# KiCad board Kristerj.kicad_pcb (continued)
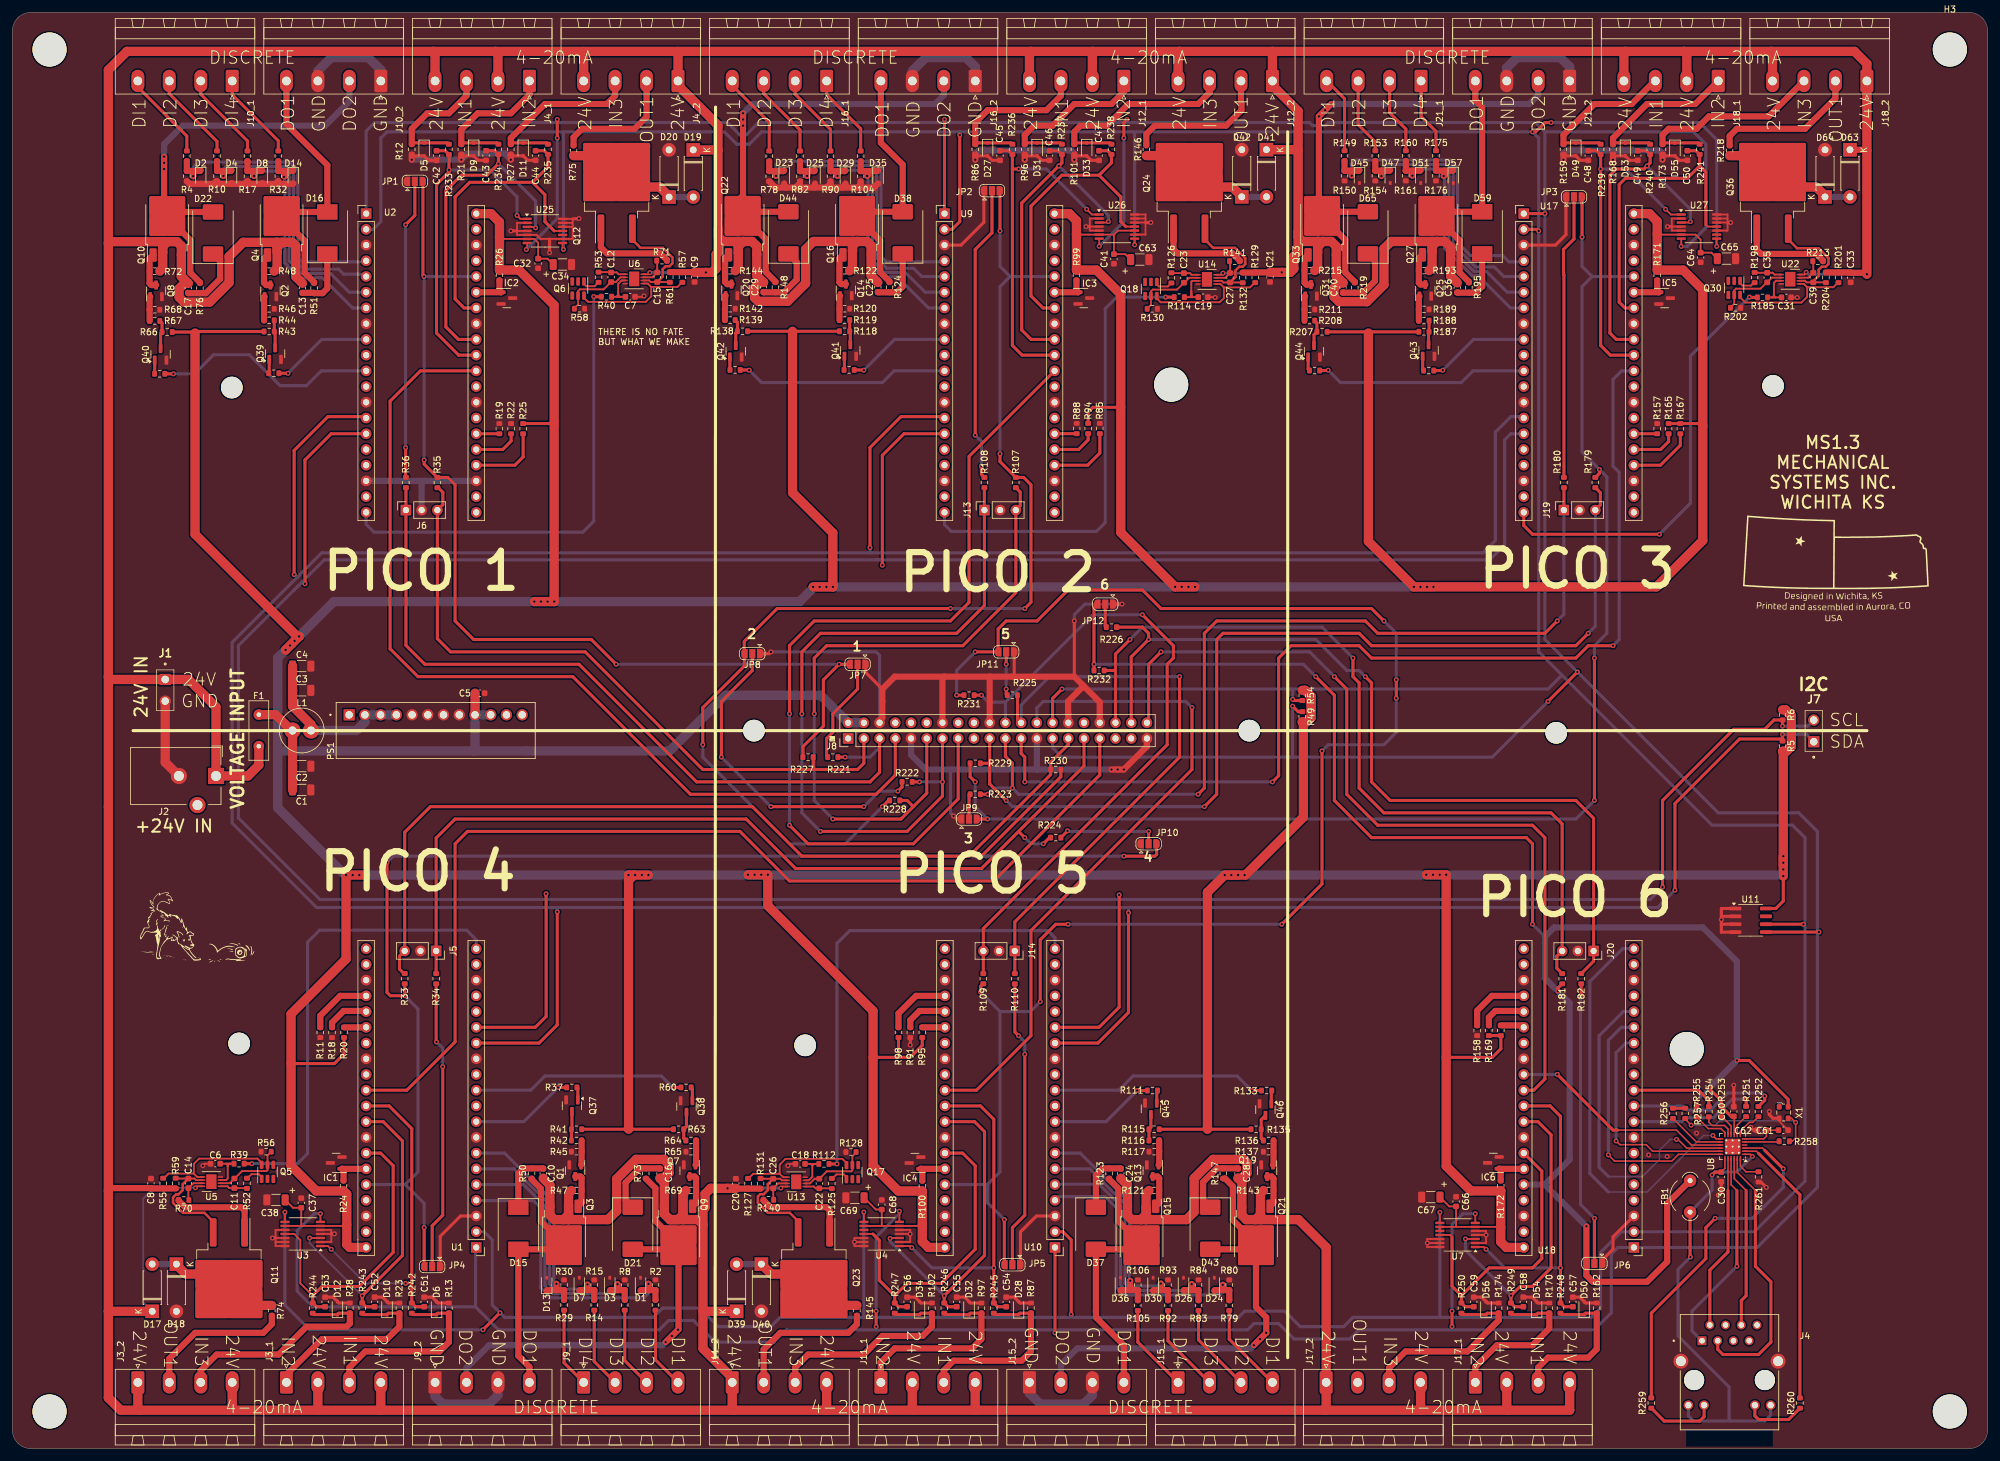
[diagram p0: board, top side]
## Placement (name value [footprint] x y rotation side) (continued)
R81  68K  [R_0603_1608Metric]  127.19 208.78 270 top
R82  10K  [R_0603_1608Metric]  127.19 205.53 270 top
R83  68K  [R_0603_1608Metric]  191.56 23.13 90 top
R84  10K  [R_0603_1608Metric]  191.56 26.44 90 top
R85  10K  [R_0603_1608Metric]  175.62 164.78 270 top
R86  150  [R_0603_1608Metric]  155.5 209.88 90 top
R87  150  [R_0603_1608Metric]  164.5 22.7 270 top
R88  10K  [R_0603_1608Metric]  171.88 164.78 270 top
R89  68K  [R_0603_1608Metric]  132.12 208.78 270 top
R90  10K  [R_0603_1608Metric]  132.12 205.53 270 top
R91  10K  [R_0603_1608Metric]  145.01 67.23 90 top
R92  68K  [R_0603_1608Metric]  186.63 23.13 90 top
R93  10K  [R_0603_1608Metric]  186.63 26.44 90 top
R94  10K  [R_0603_1608Metric]  173.74 164.78 90 top
R95  10K  [R_0603_1608Metric]  146.94 67.23 270 top
R96  150  [R_0603_1608Metric]  163.5 209.88 90 top
R97  150  [R_0603_1608Metric]  156.5 22.7 270 top
R98  10K  [R_0603_1608Metric]  143.11 67.23 270 top
R99  1K  [R_0603_1608Metric]  171.85 189.55 270 top
R100  1K  [R_0603_1608Metric]  146.95 42.44 90 top
R101  150  [R_0603_1608Metric]  171.5 209.88 90 top
R102  150  [R_0603_1608Metric]  148.5 22.7 270 top
R103  68K  [R_0603_1608Metric]  137 208.78 270 top
R104  10K  [R_0603_1608Metric]  137 205.53 270 top
R105  68K  [R_0603_1608Metric]  181.76 23.13 90 top
R106  10K  [R_0603_1608Metric]  181.76 26.44 90 top
R107  10K  [R_0603_1608Metric]  162.06 156.05 90 top
R108  10K  [R_0603_1608Metric]  156.99 156.05 270 top
R109  10K  [R_0603_1608Metric]  156.81 75.91 270 top
R110  10K  [R_0603_1608Metric]  161.89 75.91 90 top
R111  1K  [R_0603_1608Metric]  184.12 57.84 0 top
R112  16K  [R_0603_1608Metric]  131.06 45.99 0 top
R113  1K  [R_0603_1608Metric]  135.13 174.24 180 top
R114  16K  [R_0603_1608Metric]  188.45 186 180 top
R115  3.3K  [R_0603_1608Metric]  184.38 51.59 0 top
R116  150  [R_0603_1608Metric]  184.38 49.77 180 top
R117  100K  [R_0603_1608Metric]  184.38 47.96 0 top
R118  3.3K  [R_0603_1608Metric]  134.4 180.49 180 top
R119  150  [R_0603_1608Metric]  134.4 182.3 0 top
R120  100K  [R_0603_1608Metric]  134.4 184.13 180 top
R121  10K  [R_0603_1608Metric]  184.38 41.7 180 top
R122  10K  [R_0603_1608Metric]  134.39 190.26 0 top
R123  100  [R_0603_1608Metric]  177.12 44.45 90 top
R124  100  [R_0603_1608Metric]  141.65 187.6 270 top
R125  100  [R_0603_1608Metric]  132.34 42.82 270 top
R126  100  [R_0603_1608Metric]  187.18 189.12 90 top
R127  10K  [R_0603_1608Metric]  118.81 42.82 270 top
R128  6.2K  [R_0603_1608Metric]  135.44 47.91 0 top
R129  10K  [R_0603_1608Metric]  200.71 189.17 90 top
R130  6.2K  [R_0603_1608Metric]  184.1 184.11 180 top
R131  249  [R_0603_1608Metric]  120.83 42.82 270 top
R132  249  [R_0603_1608Metric]  198.69 189.14 90 top
R133  1K  [R_0603_1608Metric]  202.56 57.84 0 top
R134  1K  [R_0603_1608Metric]  116.72 174.24 180 top
R135  3.3K  [R_0603_1608Metric]  200.86 51.59 180 top
R136  150  [R_0603_1608Metric]  202.86 49.77 180 top
R137  100K  [R_0603_1608Metric]  202.86 47.96 0 top
R138  3.3K  [R_0603_1608Metric]  117.91 180.49 0 top
R139  150  [R_0603_1608Metric]  115.91 182.3 0 top
R140  100  [R_0603_1608Metric]  122.12 40.19 0 top
R141  100  [R_0603_1608Metric]  197.39 191.82 180 top
R142  100K  [R_0603_1608Metric]  115.91 184.13 180 top
R143  10K  [R_0603_1608Metric]  202.86 41.7 180 top
R144  10K  [R_0603_1608Metric]  115.91 190.26 0 top
R145  22.1  [R_0603_1608Metric]  136.39 22.31 270 top
R146  22.1  [R_0603_1608Metric]  183.13 209.88 90 top
R147  100  [R_0603_1608Metric]  195.56 44.45 90 top
R148  100  [R_0603_1608Metric]  123.22 187.6 270 top
R149  68K  [R_0603_1608Metric]  215.14 208.82 270 top
R150  10K  [R_0603_1608Metric]  215.14 205.6 270 top
R153  68K  [R_0603_1608Metric]  220.12 208.83 270 top
R154  10K  [R_0603_1608Metric]  220.12 205.6 270 top
R157  10K  [R_0603_1608Metric]  265.63 164.76 270 top
R158  10K  [R_0603_1608Metric]  236.56 67.53 90 top
R159  150  [R_0603_1608Metric]  250.5 209.88 90 top
R160  68K  [R_0603_1608Metric]  225.04 208.83 270 top
R161  10K  [R_0603_1608Metric]  225.04 205.6 270 top
R162  150  [R_0603_1608Metric]  255.88 22.7 270 top
R165  10K  [R_0603_1608Metric]  267.49 164.76 90 top
R166  10K  [R_0603_1608Metric]  240.39 67.54 270 top
R167  10K  [R_0603_1608Metric]  269.38 164.76 90 top
R168  150  [R_0603_1608Metric]  258.5 209.88 90 top
R169  10K  [R_0603_1608Metric]  238.45 67.54 270 top
R170  150  [R_0603_1608Metric]  248.21 22.7 270 top
R171  1K  [R_0603_1608Metric]  265.64 189.54 270 top
R172  1K  [R_0603_1608Metric]  240.37 42.45 90 top
R173  150  [R_0603_1608Metric]  266.5 209.88 90 top
R174  150  [R_0603_1608Metric]  240.03 22.7 270 top
R175  68K  [R_0603_1608Metric]  229.9 208.83 270 top
R176  10K  [R_0603_1608Metric]  229.9 205.6 270 top
R179  10K  [R_0603_1608Metric]  255.64 156.05 90 top
R180  10K  [R_0603_1608Metric]  250.57 156.05 270 top
R181  10K  [R_0603_1608Metric]  250.29 75.91 270 top
R182  10K  [R_0603_1608Metric]  253.37 75.91 90 top
R183  1K  [R_0603_1608Metric]  228.74 174.14 180 top
R185  16K  [R_0603_1608Metric]  282.64 185.96 180 top
R187  3.3K  [R_0603_1608Metric]  227.97 180.4 180 top
R188  150  [R_0603_1608Metric]  227.97 182.21 0 top
R189  100K  [R_0603_1608Metric]  227.97 184.02 180 top
R193  10K  [R_0603_1608Metric]  227.97 190.29 0 top
R195  100  [R_0603_1608Metric]  235.24 187.54 270 top
R198  100  [R_0603_1608Metric]  281.37 189.17 90 top
R201  10K  [R_0603_1608Metric]  294.92 189.17 90 top
R202  6.2K  [R_0603_1608Metric]  278.3 184.26 180 top
R204  249  [R_0603_1608Metric]  292.89 189.17 90 top
R205  1K  [R_0603_1608Metric]  210.31 174.14 180 top
R207  3.3K  [R_0603_1608Metric]  211.5 180.4 0 top
R208  150  [R_0603_1608Metric]  209.5 182.21 0 top
R211  100K  [R_0603_1608Metric]  209.5 184.02 180 top
R213  100  [R_0603_1608Metric]  291.59 191.81 180 top
R215  10K  [R_0603_1608Metric]  209.5 190.29 0 top
R218  22.1  [R_0603_1608Metric]  277.33 209.68 90 top
R219  100  [R_0603_1608Metric]  216.81 187.54 270 top
R221  10K  [R_0603_1608Metric]  132.5 111.7 0 top
R222  10K  [R_0603_1608Metric]  144.5 107.7 0 top
R223  10K  [R_0603_1608Metric]  155.5 105.7 0 top
R224  10K  [R_0603_1608Metric]  168.5 98.7 180 top
R225  10K  [R_0603_1608Metric]  161.5 121.7 0 top
R226  10K  [R_0603_1608Metric]  177.5 132.7 0 top
R227  10K  [R_0603_1608Metric]  128.5 111.7 180 top
R228  10K  [R_0603_1608Metric]  142.5 104.7 180 top
R229  10K  [R_0603_1608Metric]  155.5 110.7 180 top
R230  10K  [R_0603_1608Metric]  168.5 109.7 0 top
R231  10K  [R_0603_1608Metric]  154.5 121.7 180 top
R232  10K  [R_0603_1608Metric]  175.5 125.7 180 top
R233  10K  [R_0603_1608Metric]  70.5 209.88 270 top
R234  10K  [R_0603_1608Metric]  78.5 209.88 270 top
R235  10K  [R_0603_1608Metric]  86.5 209.88 270 top
R236  10K  [R_0603_1608Metric]  161.5 209.88 270 top
R237  10K  [R_0603_1608Metric]  169.5 209.88 270 top
R238  10K  [R_0603_1608Metric]  177.5 209.88 270 top
R239  10K  [R_0603_1608Metric]  256.5 209.88 270 top
R240  10K  [R_0603_1608Metric]  264.5 209.88 270 top
R241  10K  [R_0603_1608Metric]  272.5 209.88 270 top
R242  10K  [R_0603_1608Metric]  64.5 22.7 90 top
R243  10K  [R_0603_1608Metric]  56.5 22.7 90 top
R244  10K  [R_0603_1608Metric]  48.5 22.7 90 top
R245  10K  [R_0603_1608Metric]  158.5 22.7 90 top
R246  10K  [R_0603_1608Metric]  150.5 22.7 90 top
R247  10K  [R_0603_1608Metric]  142.5 22.7 90 top
R248  10K  [R_0603_1608Metric]  250.01 22.7 90 top
R249  10K  [R_0603_1608Metric]  242.01 22.7 90 top
R250  10K  [R_0603_1608Metric]  234.01 22.7 90 top
R251  10  [R_0603_1608Metric]  279.99 54.45 90 top
R252  10  [R_0603_1608Metric]  281.99 54.44 90 top
R253  10  [R_0603_1608Metric]  275.99 54.44 90 top
R254  10  [R_0603_1608Metric]  273.99 54.43 90 top
R255  1.5k  [R_0603_1608Metric]  271.99 54.41 90 top
R256  33  [R_0603_1608Metric]  268.18 54.15 90 top
R257  33  [R_0603_1608Metric]  270.17 54.15 90 top
R258  33  [R_0603_1608Metric]  286.16 49.65 0 top
R259  332  [R_0603_1608Metric]  264.69 7.37 90 top
R260  332  [R_0603_1608Metric]  288.69 7.35 90 top
R261  12.1k  [R_0603_1608Metric]  282 43.89 90 top
U1  PICO_RP2040  [Rasp_Pi_PICO]  74.91 32.5 180 top
U2  PICO_RP2040  [Rasp_Pi_PICO]  57.13 199.5 0 top
U3  MCP3428x-xST  [TSSOP-14_4.4x5mm_P0.65mm]  46.88 34.68 180 top
U4  MCP3428x-xST  [TSSOP-14_4.4x5mm_P0.65mm]  140.38 34.68 180 top
U5  Opamp_Dual_Generic  [DFN-8-1EP_3x3mm_P0.5mm_EP1.65x2.38mm]  32.13 43.12 180 top
U6  Opamp_Dual_Generic  [DFN-8-1EP_3x3mm_P0.5mm_EP1.65x2.38mm]  100.42 188.95 0 top
U7  MCP3428x-xST  [TSSOP-14_4.4x5mm_P0.65mm]  233.39 34.51 180 top
U8  LAN8720A  [VQFN-24-1EP_4x4mm_P0.5mm_EP2.5x2.5mm_ThermalVias]  277.82 48.79 180 top
U9  PICO_RP2040  [Rasp_Pi_PICO]  150.54 199.5 0 top
U10  PICO_RP2040  [Rasp_Pi_PICO]  168.38 32.5 180 top
U11  24AA256UIDT-I/SN  [SOIC-8_3.9x4.9mm_P1.27mm]  280.73 85.34 0 top
U13  Opamp_Dual_Generic  [DFN-8-1EP_3x3mm_P0.5mm_EP1.65x2.38mm]  126.59 43.09 180 top
U14  Opamp_Dual_Generic  [DFN-8-1EP_3x3mm_P0.5mm_EP1.65x2.38mm]  192.93 188.88 0 top
U17  PICO_RP2040  [Rasp_Pi_PICO]  244.08 199.5 0 top
U18  PICO_RP2040  [Rasp_Pi_PICO]  261.87 32.5 180 top
U22  Opamp_Dual_Generic  [DFN-8-1EP_3x3mm_P0.5mm_EP1.65x2.38mm]  287.13 188.9 0 top
U25  MCP3428x-xST  [TSSOP-14_4.4x5mm_P0.65mm]  86 196.7 0 top
U26  MCP3428x-xST  [TSSOP-14_4.4x5mm_P0.65mm]  178.38 197.4 0 top
U27  MCP3428x-xST  [TSSOP-14_4.4x5mm_P0.65mm]  272.38 197.4 0 top
X1  ECS-2033-500-BN  [Oscillator_SMD_ECS_2520MV-xxx-xx-4Pin_2.5x2.0mm]  286.07 54.29 0 top

## Library data of the parts
C1-C4 = -: Description: Unpolarized capacitor; Cost: 0,96; Mfg PN: C3216X5R1E476M160AC; Vendor Link: https://www.mouser.com/ProductDetail/TDK/C3216X5R1E476M160AC?qs=sGAEpiMZZMvsSlwiRhF8qsDt8B2LujiHObrqNeWetBc%3D; Vendor PN: 810-C3216X5R1E476M; ki_fp_filters: C_*
C5 = -: Description: Unpolarized capacitor; Cost: 0,22; Mfg PN: GRM188R61A226ME15D; Vendor Link: https://www.mouser.com/ProductDetail/Murata-Electronics/GRM188R61A226ME15D?qs=eeBpzGFlv%252B8DV%2FrilzyhAw%3D%3D; Vendor PN: 81-GRM188R61A226ME5D; ki_fp_filters: C_*
C6 C7 C18 C19 C31 C32 C37 C41-C60 C64 C66 C68 = -: Description: Unpolarized capacitor; Cost: 0,10; Mfg PN: C1608X7R1H104K080AA; Vendor Link: https://www.mouser.com/ProductDetail/TDK/C1608X7R1H104K080AA?qs=NRhsANhppD8dEJli2CDBHA%3D%3D; Vendor PN: 810-C1608X7R1H104K; ki_fp_filters: C_*
C8 C9 C20 C21 C33 C61 = -: Description: Unpolarized capacitor; Cost: 0,13; Mfg PN: CL10A105KL8NNNC; Vendor Link: https://www.mouser.com/ProductDetail/Samsung-Electro-Mechanics/CL10A105KL8NNNC?qs=l7cgNqFNU1jr%252B%2Fap4UXsTA%3D%3D; Vendor PN: 187-CL10A105KL8NNNC; ki_fp_filters: C_*
C10 C13 C16 C17 C24 C25 C28 C29 C36 C40 = -: Description: Unpolarized capacitor; Cost: 0,10; Mfg PN: C0603C103K5RAC7867; Vendor Link: https://www.mouser.com/ProductDetail/KEMET/C0603C103K5RAC7867?qs=nAEW9fCjKd9MOCpgNawaQA%3D%3D; Vendor PN: 80-C0603C103K5R7867; ki_fp_filters: C_*
C11 C12 C14 C15 C22 C23 C26 C27 C35 C39 = -: Description: Unpolarized capacitor; Cost: 0,10; Mfg PN: 06035A221JAT2A; Vendor Link: https://www.mouser.com/ProductDetail/KYOCERA-AVX/06035A221JAT2A?qs=WmCxkUxNecRgZRZgIi8bmQ%3D%3D; Vendor PN: 581-06035A221J; ki_fp_filters: C_*
C30 = -: Description: CAP CER 0.022UF 50V X7R 0603; Cost: 0,10; Mfg PN: CGA3E2X7R1H223K080AA; Vendor Link: https://www.digikey.com/en/products/detail/tdk-corporation/CGA3E2X7R1H223K080AA/2443141; Vendor PN: CGA3E2X7R1H223K080AA; ki_fp_filters: C_*
C34 C38 C63 C65 C67 C69 = -: Description: Polarized capacitor, US symbol; ki_fp_filters: CP_*
C62 = -: Description: CAP CER 470PF 100V C0G/NP0 0603; Cost: 0,16; Mfg PN: GCM1885C2A471JA16D; Vendor Link: https://www.digikey.com/en/products/detail/murata-electronics/GCM1885C2A471JA16D/1765197?s=N4IgTCBcDaIOIGECyBGAHGgrAsBBALAOwoBSuKAbACIgC6AvkA; Vendor PN: GCM1885C2A471JA16D; ki_fp_filters: C_*
D1-D14 D23-D36 D45 D47 D49-D51 D53-D57 = -: Description: Zener diode; Cost: 0,15; Mfg PN: MM3Z3V9ST1G; Vendor Link: https://www.mouser.com/ProductDetail/onsemi/MM3Z3V9ST1G?qs=OSf9jACorvYe4BzweOlGeA%3D%3D; Vendor PN: 863-MM3Z3V9ST1G; ki_fp_filters: TO-???* *_Diode_* *SingleDiode* D_*
D15 D16 D21 D22 D37 D38 D43 D44 D59 D65 = -: Description: Diode; Cost: 0,90; Mfg PN: VS-5ECH06-M3/9AT; Vendor Link: https://www.mouser.com/ProductDetail/Vishay-Semiconductors/VS-5ECH06-M3-9AT?qs=1FzmF4gO8okPI3ZFizAqng%3D%3D; Vendor PN: 78-VS-5ECH06-M3/9AT; Sim.Device: D; Sim.Pins: 1=K 2=A; ki_fp_filters: TO-???* *_Diode_* *SingleDiode* D_*
D17-D20 D39-D42 D63 D64 = -: Description: Diode; Cost: 0,025; Mfg PN: 1N4007-T; Vendor Link: https://www.lcsc.com/product-detail/Diodes-General-Purpose_Diodes-Incorporated-1N4007-T_C108355.html; Vendor PN: C108355; Sim.Pins: 1=K 2=A; ki_fp_filters: TO-???* *_Diode_* *SingleDiode* D_*
F1 = -: Description: Resettable fuse, polymeric positive temperature coefficient, small symbol; Cost: 0,67; Mfg PN: MF-RHT200/32-2; Vendor Link: https://www.mouser.com/ProductDetail/Bourns/MF-RHT200-32-2?qs=0lQeLiL1qyakA%2F3J%2FiyUHw%3D%3D; Vendor PN: 652-MF-RHT200/32-2; ki_fp_filters: *polyfuse* *PTC*
FB1 = -: Datasheet: https://www.digikey.com/en/products/detail/laird-signal-integrity-products/28C0236-0JW-10/806596?s=N4IgTCBcDa4BwGEAMYDMA2AtEgUgdUwEYkQBdAXyA; Description: FERRITE BEAD 998 OHM RADIAL 1LN; ki_fp_filters: Inductor_* L_* *Ferrite*
H1-H13 = -: Description: Mounting Hole without connection; Mfg PN: DNP; ki_fp_filters: MountingHole*
IC1-IC6 = -: Datasheet: https://datasheet.lcsc.com/lcsc/1912111437_Diodes-Incorporated-LM4040C30FTA_C460608.pdf; Cost: 0,55; Vendor Link: https://www.lcsc.com/product-detail/Voltage-References_Diodes-Incorporated-LM4040C30FTA_C460608.html; Vendor PN: C460608
J1 J7 = -: Description: Generic connector, single row, 01x02, script generated (kicad-library-utils/schlib/autogen/connector/); Cost: 0,18; Mfg PN: 1945096; Vendor Link: https://export.rsdelivers.com/product/phoenix-contact/1945096/phoenix-contact-combicon-pst-2-way-1-row-straight/5487200; Vendor PN: 1945096; ki_fp_filters: Connector*:*_1x??_*
J2 = -: Description: DC Barrel Jack; Cost: 0,82; Mfg PN: PJ-102AH; Vendor Link: https://www.mouser.com/ProductDetail/CUI-Devices/PJ-102AH?qs=WyjlAZoYn50Yq4CrVLCXLw%3D%3D; Vendor PN: 490-PJ-102AH; ki_fp_filters: BarrelJack*
J3_1 J3_2 J4_1 J4_2 J9_1 J9_2 J10_1 J10_2 J11_1 J11_2 J12_1 J12_2 J15_1 J15_2 J16_1 J16_2 J17_1 J17_2 J18_1 J18_2 J21_1 J21_2 = -: Description: Generic screw terminal, single row, 01x04, script generated (kicad-library-utils/schlib/autogen/connector/); ki_fp_filters: TerminalBlock*:*
J4 = -: PARTREV: A1; MANUFACTURER: TE Connectivity; MAXIMUM_PACKAGE_HEIGHT: 15.56mm; STANDARD: Manufacturer Recommendations
J5 J6 J13 J14 J19 J20 = -: Description: Generic connector, single row, 01x03, script generated (kicad-library-utils/schlib/autogen/connector/); Cost: 0,86; Mfg PN: 215299-3; Vendor Link: https://www.mouser.com/ProductDetail/TE-Connectivity/215299-3?qs=pol9tQvH%252BaHR%252B8PZSmhoEA%3D%3D; Vendor PN: 571-215299-3; ki_fp_filters: Connector*:*_1x??_*
J8 = -: Description: Generic connector, double row, 02x20, odd/even pin numbering scheme (row 1 odd numbers, row 2 even numbers), script generated (kicad-library-utils/schlib/autogen/connector/); Cost: 12,04; Mfg PN: 6-103169-8; Vendor Link: https://www.mouser.com/ProductDetail/TE-Connectivity/6-103169-8?qs=qBUTEyc9%2FKpks9WOxSMTwA%3D%3D; Vendor PN: 571-6-103169-8; ki_fp_filters: Connector*:*_2x??_*
JP1-JP12 = -: Description: Solder Jumper, 3-pole, open; ki_fp_filters: SolderJumper*Open*
L1 = -: Description: Inductor; Cost: 0,41; Mfg PN: RLB0712-220KL; Vendor Link: https://www.mouser.com/ProductDetail/Bourns/RLB0712-220KL?qs=qtLBrsE9qZJqQOHuwQC%252BAw%3D%3D; Vendor PN: 652-RLB0712-220KL; ki_fp_filters: Choke_* *Coil* Inductor_* L_*
PS1 = -: Datasheet: https://www.mornsun-power.com/html/pdf/K7803-3AR3.html; Cost: 4,62; Vendor Link: https://www.digikey.es/en/products/detail/mornsun-america-llc/K7805-3AR3/13168239; Vendor PN: 2725-K7805-3AR3-ND
Q1 Q2 Q7 Q8 Q13 Q14 Q19 Q20 Q25 Q31 = -: Datasheet: http://www.diodes.com/assets/Datasheets/DMN10H220L.pdf; Description: 1.6A Id, 100V Vds, N-Channel MOSFET, SOT-23; Cost: 0,15; Mfg PN: DMN10H220L-7; Vendor Link: https://lcsc.com/product-detail/MOSFETs_Diodes-Incorporated-DMN10H220L-7_C102615.html; Vendor PN: C102615; ki_fp_filters: SOT?23*
Q3 Q4 Q9 Q10 Q15 Q16 Q21 Q22 Q27 Q33 = -: Datasheet: http://www.jaolen.com/images/pdf/QM6015D.pdf; Description: -35A Id, -60V Vds, P-Channel Power MOSFET, 25mOhm Ron, 25.0nC Qg (typ), TO252; Cost: 1,89; Mfg PN: RD3P130SPFRATL; Vendor Link: https://www.digikey.es/es/products/detail/rohm-semiconductor/RD3P130SPFRATL/9697457; Vendor PN: RD3P130SPFRATLCT-ND; ki_fp_filters: TO?252*
Q5 Q6 Q17 Q18 Q30 = -: Datasheet: https://datasheet.lcsc.com/lcsc/1810091831_onsemi-NDC7002N_C114648.pdf; Cost: 0,51; Vendor Link: https://www.lcsc.com/product-detail/MOSFETs_onsemi-NDC7002N_C114648.html; Vendor PN: C114648; ki_fp_filters: TSOP* SC?70* SC?88* SOT?363*
Q11 Q12 Q23 Q24 Q36 = -: Description: P-MOSFET transistor, gate/drain/source; Cost: 2,00; Mfg PN: IRF9Z24SPBF; Vendor Link: https://www.mouser.com/ProductDetail/Vishay-Semiconductors/IRF9Z24SPBF?qs=I1ZA2VTqfvRS9QDMbElVCQ%3D%3D; Vendor PN: 844-IRF9Z24SPBF
Q37-Q46 = -: Datasheet: https://www.onsemi.com/pdf/datasheet/pzt3904-d.pdf; Description: 0.2A Ic, 40V Vce, Small Signal NPN Transistor, SOT-23; ki_fp_filters: SOT?23*
R1 R3 R7 R9 R14 R16 R29 R31 R77 R79 R81 R83 R89 R92 R103 R105 R149 R153 R160 R175 = -: Description: Resistor; Cost: 0,10; Mfg PN: RC0603FR-0768KL; Vendor Link: https://www.mouser.com/ProductDetail/YAGEO/RC0603FR-0768KL?qs=2cAdsCoAWRGB9YFxGbVftw%3D%3D; Vendor PN: 603-RC0603FR-0768KL; ki_fp_filters: R_*
R2 R4 R8 R10 R11 R15 R17-R20 R22 R25 R30 R32-R36 R47 R48 R55 R57 R69 R72 R78 R80 R82 R84 R85 R88 R90 R91 R93-R95 R98 R104 R106-R110 R121 R122 R127 R129 R143 R144 R150 R154 R157 R158 R161 R165-R167 R169 R176 R179-R182 R193 R201 R215 R221-R250 = -: Description: Resistor; Cost: 0,10; Mfg PN: ERJ-3GEYJ103V; Vendor Link: https://www.mouser.com/ProductDetail/Panasonic/ERJ-3GEYJ103V?qs=66DK8nO8gJBWgc%252B0VNNxzg%3D%3D; Vendor PN: 667-ERJ-3GEYJ103V; ki_fp_filters: R_*
R5 R6 R49 R54 = -: Description: Resistor; Cost: 0,10; Mfg PN: ERJ-3EKF5101V; Vendor Link: https://www.mouser.com/ProductDetail/Panasonic/ERJ-3EKF5101V?qs=sGAEpiMZZMtG0KNrPCHnjTg0x5DoQJ5Pc7txJA%252BQHw8%3D; Vendor PN: 667-ERJ-3EKF5101V; ki_fp_filters: R_*
R12 R13 R21 R23 R27 R28 R42 R44 R64 R67 R86 R87 R96 R97 R101 R102 R116 R119 R136 R139 R159 R162 R168 R170 R173 R174 R188 R208 = -: Description: Resistor; Cost: 0,10; Mfg PN: CR0603-JW-151ELF; Vendor Link: https://www.mouser.com/ProductDetail/Bourns/CR0603-JW-151ELF?qs=sGAEpiMZZMtlubZbdhIBIOIecdKRTybvyEaUOxL5Gq4%3D; Vendor PN: 652-CR0603-JW-151ELF; ki_fp_filters: R_*
R24 R26 R37 R38 R60 R62 R99 R100 R111 R113 R133 R134 R171 R172 R183 R205 = -: Description: Resistor; Cost: 0,10; Mfg PN: CR0603-FX-1001ELF; Vendor Link: https://www.mouser.com/ProductDetail/Bourns/CR0603-FX-1001ELF?qs=K5ddiUFZPT4YQXF75Ui8dQ%3D%3D; Vendor PN: 652-CR0603FX-1001ELF; ki_fp_filters: R_*
R39 R40 R112 R114 R185 = -: Description: Resistor; Cost: 0,10; Mfg PN: ERJ-3GEYJ163V; Vendor Link: https://www.mouser.com/ProductDetail/Panasonic/ERJ-3GEYJ163V?qs=JjxTDIFmKPSqT6jK2g6mOw%3D%3D; Vendor PN: 667-ERJ-3GEYJ163V; ki_fp_filters: R_*
R41 R43 R63 R66 R115 R118 R135 R138 R187 R207 = -: Description: Resistor; Cost: 0,10; Mfg PN: RC0603JR-103K3L; Vendor Link: https://www.mouser.com/ProductDetail/YAGEO/RC0603JR-103K3L?qs=IuGqVx9wL0LKNSLR70cQjA%3D%3D; Vendor PN: 603-RC0603JR-103K3L; ki_fp_filters: R_*
R45 R46 R65 R68 R117 R120 R137 R142 R189 R211 = -: Description: Resistor; Cost: 0,10; Mfg PN: RC0603JR-07100KL; Vendor Link: https://www.mouser.com/ProductDetail/YAGEO/RC0603JR-07100KL?qs=2cAdsCoAWRG9Rhqklpdeqg%3D%3D; Vendor PN: 603-RC0603JR-07100KL; ki_fp_filters: R_*
R50-R53 R70 R71 R73 R76 R123-R126 R140 R141 R147 R148 R195 R198 R213 R219 = -: Description: Resistor; Cost: 0,10; Mfg PN: RC0603FR-07100RL; Vendor Link: https://www.mouser.com/ProductDetail/YAGEO/RC0603FR-07100RL?qs=NEN%2FsE%2FLsvPIwIWKCOS4%2FA%3D%3D; Vendor PN: 603-RC0603FR-07100RL; ki_fp_filters: R_*
R56 R58 R128 R130 R202 = -: Description: Resistor; Cost: 0,10; Mfg PN: CRCW06036K20FKEAC; Vendor Link: https://www.mouser.com/ProductDetail/Vishay-Dale/CRCW06036K20FKEAC?qs=E3Y5ESvWgWPIiSG1ut%252B03g%3D%3D; Vendor PN: CRCW06036K20FKEAC; ki_fp_filters: R_*
R59 R61 R131 R132 R204 = -: Description: Resistor; Cost: 0,10; Mfg PN: RK73H1JTTD2490F; Vendor Link: https://www.mouser.com/ProductDetail/KOA-Speer/RK73H1JTTD2490F?qs=P62ublwmbi9cHjyHmdcDCw%3D%3D; Vendor PN: 660-RK73H1JTTD2490F; ki_fp_filters: R_*
R74 R75 R145 R146 R218 = -: Description: Resistor; Cost: 0,10; Mfg PN: RK73H1JTTD22R1F; Vendor Link: https://www.mouser.com/ProductDetail/KOA-Speer/RK73H1JTTD22R1F?qs=h8%2FvSci3DWxf8SoKZOz2uA%3D%3D; Vendor PN: 660-RK73H1JTTD22R1F; ki_fp_filters: R_*
R251-R254 = -: Description: RES 10 OHM 1% 1/10W 0603; Cost: 0,10; Mfg PN: RMCF0603FT10R0; Vendor Link: https://www.digikey.com/en/products/detail/stackpole-electronics-inc/RMCF0603FT10R0/1761152; Vendor PN: RMCF0603FT10R0; ki_fp_filters: R_*
R255 = -: Description: RES 1.5K OHM 5% 1/10W 0603; Cost: 0,10; Mfg PN: RC0603JR-071K5L; Vendor Link: https://www.digikey.com/en/products/detail/yageo/RC0603JR-071K5L/726689; Vendor PN: RC0603JR-071K5L; ki_fp_filters: R_*
R256-R258 = -: Description: RES 33 OHM 1% 1/10W 0603; Cost: 0,10; Mfg PN: CRCW060333R0FKEAC; Vendor Link: https://www.digikey.com/en/products/detail/vishay-dale/CRCW060333R0FKEAC/7928410; Vendor PN: CRCW060333R0FKEAC; ki_fp_filters: R_*
R259 R260 = -: Description: RES 332 OHM 1% 1/10W 0603; Cost: 0,10; Mfg PN: RMCF0603FT332R; Vendor Link: https://www.digikey.com/en/products/detail/stackpole-electronics-inc/RMCF0603FT332R/1760749; Vendor PN: RMCF0603FT332R; ki_fp_filters: R_*
R261 = -: Description: RES 12.1K OHM 1% 1/10W 0603; Cost: 0,10; Mfg PN: RMCF0603FT12K1; Vendor Link: https://www.digikey.com/en/products/detail/stackpole-electronics-inc/RMCF0603FT12K1/1761240; Vendor PN: RMCF0603FT12K1; ki_fp_filters: R_*
U1 U2 U9 U10 U17 U18 = -: Datasheet: https://www.mouser.com/datasheet/2/181/M20-782-1220556.pdf; Cost: 2,42; Mfg PN: M20-7822046; Vendor Link: https://www.mouser.com/ProductDetail/Harwin/M20-7822046?qs=sGAEpiMZZMvlX3nhDDO4ABznH5rKKlExqY22J5gDOpY%3D; Vendor PN: 855-M20-7822046
U3 U4 U7 U25-U27 = -: Datasheet: http://ww1.microchip.com/downloads/en/DeviceDoc/22226a.pdf; Description: 16-Bit, Multi-Channel ΔΣ Analog-to-Digital Converter with I2C Interface and On-Board Reference, TSSOP-14; ki_fp_filters: TSSOP*4.4x5mm*P0.65mm*
U5 U6 U13 U14 U22 = -: Datasheet: https://www.win-source.net/datasheet/473968/LT1490ACDDTRPBF.pdf; Cost: 5,73; Mfg PN: LT1490ACDD#TRPBF; Vendor Link: https://www.win-source.net/products/detail/linear-technology/lt1490acdd-trpbf.html; Vendor PN: LT1490ACDD#TRPBF; ki_fp_filters: SOIC*3.9x4.9mm*P1.27mm* DIP*W7.62mm* MSOP*3x3mm*P0.65mm* SSOP*2.95x2.8mm*P0.65mm* TSSOP*3x3mm*P0.65mm* VSSOP*P0.5mm* TO?99*
U8 = -: Datasheet: http://ww1.microchip.com/downloads/en/DeviceDoc/8720a.pdf; Description: LAN8720 Ethernet PHY with RMII interface, QFN-24; ki_fp_filters: VQFN*1EP*4x4mm*P0.5mm*
U11 = -: Datasheet: http://ww1.microchip.com/downloads/en/devicedoc/21203m.pdf; Description: I2C Serial EEPROM, 256Kb, DIP-8/SOIC-8/TSSOP-8/DFN-8; ki_fp_filters: DIP*W7.62mm* SOIC*3.9x4.9mm* TSSOP*4.4x3mm*P0.65mm* DFN*3x2mm*P0.5mm*
X1 = -: Datasheet: https://www.digikey.com/en/products/detail/ecs-inc/ECS-2033-500-BN/1693379; Description: XTAL OSC XO 50.0000MHZ CMOS SMD; ki_fp_filters: Oscillator*SMD*ECS*2520MV*2.5x2.0mm*

## Footprints (pads in the part's own frame, mm; a bottom-side part is the same pattern mirrored in y, then rotated)
1945096
  rect 1.8x1.8 hole 1.2: 1(0,0)
  round 1.8 hole 1.2: 2(3.5,0)
BarrelJack_CUI_PJ-102AH_Horizontal
  rect 2.6x2.6 hole 1.6: 1(0,0)
  round 2.6 hole 1.6: 2(0,-6) 3(4.7,-3)
C_0603_1608Metric
  rrect 0.9x0.95 smd: 1(-0.775,0) 2(0.775,0)
C_1206_3216Metric
  rrect 1.15x1.8 smd: 1(-1.475,0) 2(1.475,0)
CONV_K7805-3AR3
  rect 1.8x1.8 hole 1.2: 1(-13.97,2.545)
  round 1.8 hole 1.2: 2(-11.43,2.545) 3(-8.89,2.545) 4(-6.35,2.545) 5(-3.81,2.545) 6(-1.27,2.545) 7(1.27,2.545) 8(3.81,2.545) 9(6.35,2.545) 10(8.89,2.545) 11(11.43,2.545) 12(13.97,2.545)
D_DO-41_SOD81_P7.62mm_Horizontal
  rect 2.2x2.2 hole 1.1: 1(0,0)
  oval 2.2x2.2 hole 1.1: 2(7.62,0)
D_SMC
  rect 2.5x3.3 smd: 1(-3.4,0) 2(3.4,0)
D_SMC#2
  rrect 2.5x3.3 smd: 1(-3.4,0) 2(3.4,0)
D_SOD-323
  rect 0.6x0.45 smd: 1(-1.05,0) 2(1.05,0)
D_SOD-323#2
  rrect 0.6x0.45 smd: 1(-1.05,0) 2(1.05,0)
DFN-8-1EP_3x3mm_P0.5mm_EP1.65x2.38mm
  rrect 1.33x1.92 smd: (0,0)
  rrect 0.85x0.25 smd: 1(-1.45,0.75) 2(-1.45,0.25) 3(-1.45,-0.25) 4(-1.45,-0.75) 5(1.45,-0.75) 6(1.45,-0.25) 7(1.45,0.25) 8(1.45,0.75)
  rect 1.65x2.38 smd: 9(0,0)
Fuse_Bourns_MF-RHT200
  round 1.71 hole 0.71: 1(0,0) 2(5.1,0)
L_Radial_D7.0mm_P3.00mm
  round 2.6 hole 1.3: 1(0,0) 2(3,0)
LairdTech_28C0236-0JW-10
  round 2 hole 0.8: 1(0,0) 2(5.08,0)
MountingHole_3.5mm
  round 3.5 hole 3.5 unplated: (0,0)
MountingHole_5.5mm
  round 5.5 hole 5.5 unplated: (0,0)
Oscillator_SMD_ECS_2520MV-xxx-xx-4Pin_2.5x2.0mm
  rrect 0.8x0.9 smd: 1(-0.725,0.925) 2(-0.725,-0.925) 3(0.725,-0.925) 4(0.725,0.925)
PhoenixContact_MSTBA_2,5_4-G-5,08_1x04_P5.08mm_Horizontal
  rrect 2.08x3.6 hole 1.4: 1(0,0)
  oval 2.08x3.6 hole 1.4: 2(5.08,0) 3(10.16,0) 4(15.24,0)
PinHeader_2x20_P2.54mm_Vertical
  rect 1.7x1.7 hole 1: 1(0,0)
  oval 1.7x1.7 hole 1: 2(2.54,0) 3(0,-2.54) 4(2.54,-2.54) 5(0,-5.08) 6(2.54,-5.08) 7(0,-7.62) 8(2.54,-7.62) 9(0,-10.16) 10(2.54,-10.16) 11(0,-12.7) 12(2.54,-12.7) 13(0,-15.24) 14(2.54,-15.24) 15(0,-17.78) 16(2.54,-17.78) 17(0,-20.32) 18(2.54,-20.32) 19(0,-22.86) 20(2.54,-22.86) 21(0,-25.4) 22(2.54,-25.4) 23(0,-27.94) 24(2.54,-27.94) 25(0,-30.48) 26(2.54,-30.48) 27(0,-33.02) 28(2.54,-33.02) 29(0,-35.56) 30(2.54,-35.56) 31(0,-38.1) 32(2.54,-38.1) 33(0,-40.64) 34(2.54,-40.64) 35(0,-43.18) 36(2.54,-43.18) 37(0,-45.72) 38(2.54,-45.72) 39(0,-48.26) 40(2.54,-48.26)
PinSocket_1x03_P2.54mm_Vertical
  rect 1.7x1.7 hole 1: 1(0,0)
  oval 1.7x1.7 hole 1: 2(0,-2.54) 3(0,-5.08)
R_0603_1608Metric
  rrect 0.8x0.95 smd: 1(-0.825,0) 2(0.825,0)
Rasp_Pi_PICO
  rect 1.7x1.7 hole 1: 1(0,0)
  oval 1.7x1.7 hole 1: 2(0,-2.54) 3(0,-5.08) 4(0,-7.62) 5(0,-10.16) 6(0,-12.7) 7(0,-15.24) 8(0,-17.78) 9(0,-20.32) 10(0,-22.86) 11(0,-25.4) 12(0,-27.94) 13(0,-30.48) 14(0,-33.02) 15(0,-35.56) 16(0,-38.1) 17(0,-40.64) 18(0,-43.18) 19(0,-45.72) 20(0,-48.26) 21(17.78,-48.26) 22(17.78,-45.72) 23(17.78,-43.18) 24(17.78,-40.64) 25(17.78,-38.1) 26(17.78,-35.56) 27(17.78,-33.02) 28(17.78,-30.48) 29(17.78,-27.94) 30(17.78,-25.4) 31(17.78,-22.86) 32(17.78,-20.32) 33(17.78,-17.78) 34(17.78,-15.24) 35(17.78,-12.7) 36(17.78,-10.16) 37(17.78,-7.62) 38(17.78,-5.08) 39(17.78,-2.54)
  round 1.7 hole 1: 40(17.78,0)
SOIC-8_3.9x4.9mm_P1.27mm
  rrect 1.95x0.6 smd: 1(-2.475,1.905) 2(-2.475,0.635) 3(-2.475,-0.635) 4(-2.475,-1.905) 5(2.475,-1.905) 6(2.475,-0.635) 7(2.475,0.635) 8(2.475,1.905)
SolderJumper-3_P1.3mm_Open_RoundedPad1.0x1.5mm
  custom 1.05x1.5 smd: 1(-1.3,0) 3(1.3,0)
  rect 1x1.5 smd: 2(0,0)
SOT-23
  rrect 1.475x0.6 smd: 1(-0.938,0.95) 2(-0.938,-0.95) 3(0.938,0)
SOT-23-6
  rrect 1.325x0.6 smd: 1(-1.137,0.95) 2(-1.137,0) 3(-1.137,-0.95) 4(1.137,-0.95) 5(1.137,0) 6(1.137,0.95)
TE_5-2301994-9
  round 3.25 hole 3.25 unplated: (-5.715,0) (5.715,0)
  rect 1.408x1.408 hole 0.9: P1(-4.445,6.35)
  round 1.408 hole 0.9: P2(-3.175,8.89) P3(-1.905,6.35) P4(-0.635,8.89) P5(0.635,6.35) P6(1.905,8.89) P7(3.175,6.35) P8(4.445,8.89)
  round 1.53 hole 1.02: P9(-6.64,-4.06) P10(-4.1,-4.06) P11(4.1,-4.06) P12(6.64,-4.06)
  round 2.4 hole 1.6: S1(-7.85,3.05) S2(7.85,3.05)
TO-252-2
  rrect 2.2x1.2 smd: 1(-5.04,2.28) 3(-5.04,-2.28)
  rrect 3.05x2.75 smd: 2(-0.415,1.525) 2(-0.415,-1.525) 2(2.935,1.525) 2(2.935,-1.525)
  rrect 6.4x5.8 smd: 2(1.26,0)
TO-263-2
  rrect 4.6x1.1 smd: 1(-7.65,2.54) 3(-7.65,-2.54)
  rrect 4.55x5.25 smd: 2(-0.925,2.775) 2(-0.925,-2.775) 2(3.925,2.775) 2(3.925,-2.775)
  rrect 9.4x10.8 smd: 2(1.5,0)
TSSOP-14_4.4x5mm_P0.65mm
  rrect 1.475x0.4 smd: 1(-2.862,1.95) 2(-2.862,1.3) 3(-2.862,0.65) 4(-2.862,0) 5(-2.862,-0.65) 6(-2.862,-1.3) 7(-2.862,-1.95) 8(2.862,-1.95) 9(2.862,-1.3) 10(2.862,-0.65) 11(2.862,0) 12(2.862,0.65) 13(2.862,1.3) 14(2.862,1.95)
VQFN-24-1EP_4x4mm_P0.5mm_EP2.5x2.5mm_ThermalVias
  custom 0.927x0.927 smd: (-0.57,0.57) (-0.57,-0.57) (0.57,0.57) (0.57,-0.57)
  rrect 0.875x0.25 smd: 1(-1.938,1.25) 2(-1.938,0.75) 3(-1.938,0.25) 4(-1.938,-0.25) 5(-1.938,-0.75) 6(-1.938,-1.25) 13(1.938,-1.25) 14(1.938,-0.75) 15(1.938,-0.25) 16(1.938,0.25) 17(1.938,0.75) 18(1.938,1.25)
  rrect 0.25x0.875 smd: 7(-1.25,-1.938) 8(-0.75,-1.938) 9(-0.25,-1.938) 10(0.25,-1.938) 11(0.75,-1.938) 12(1.25,-1.938) 19(1.25,1.938) 20(0.75,1.938) 21(0.25,1.938) 22(-0.25,1.938) 23(-0.75,1.938) 24(-1.25,1.938)
  round 0.5 hole 0.3: 25(-1,1) 25(-1,0) 25(-1,-1) 25(0,1) 25(0,0) 25(0,-1) 25(1,1) 25(1,0) 25(1,-1)
  rect 2.5x2.5 smd: 25(0,0)
  rect 2.5x2.5 smd far side: 25(0,0)

## Nets
3.3V_1: JP1.3 JP7.3 R35.2 R227.2 U2.36
3.3V_2: JP2.3 JP8.3 R107.2 R228.2 U9.36
3.3V_3: JP3.3 JP9.3 R179.2 R229.2 U17.36
3.3V_4: JP4.3 JP10.3 R33.2 R230.2 U1.36
3.3V_5: JP5.3 JP11.3 R109.2 R231.2 U10.36
3.3V_6: C60.1 FB1.2 JP6.3 JP12.3 R181.2 R232.2 R253.2 R255.2 U8.9 U18.36 X1.4
+5V: C5.2 C32.1 C34.1 C37.1 C38.1 C41.1 C63.1 C64.1 C65.1 C66.1 C67.1 C68.1 C69.1 J8.2 J8.4 PS1.9 PS1.10 R5.2 R6.2 R20.2 R24.1 R25.2 R26.1 R41.2 R43.2 R49.2 R54.2 R63.2 R66.2 R94.2 R95.2 R98.2 R99.1 R100.1 R115.2 R118.2 R135.2 R138.2 R165.2 R166.2 R167.2 R169.2 R171.1 R172.1 R187.2 R207.2 U1.40 U2.40 U3.6 U3.9 U4.6 U4.9 U7.6 U7.9 U7.10 U9.40 U10.40 U11.8 U17.40 U18.40 U25.6 U26.6 U26.10 U27.6
+24V: C8.1 C9.1 C10.2 C13.2 C16.2 C17.2 C20.1 C21.1 C24.2 C25.2 C28.2 C29.2 C33.1 C36.2 C40.2 D17.1 D19.1 D39.1 D41.1 D63.1 F1.1 J1.1 J2.1 J3_1.2 J3_1.4 J3_2.1 J3_2.4 J4_1.2 J4_1.4 J4_2.1 J4_2.4 J11_1.2 J11_1.4 J11_2.1 J11_2.4 J12_1.2 J12_1.4 J12_2.1 J12_2.4 J17_1.2 J17_1.4 J17_2.1 J17_2.4 J18_1.2 J18_1.4 J18_2.1 J18_2.4 Q3.3 Q4.3 Q9.3 Q10.3 Q15.3 Q16.3 Q21.3 Q22.3 Q27.3 Q33.3 R47.2 R48.2 R55.2 R57.2 R59.2 R61.2 R69.2 R72.2 R121.2 R122.2 R127.2 R129.2 R131.2 R132.2 R143.2 R144.2 R193.2 R201.2 R204.2 R215.2 U5.8 U6.8 U13.8 U14.8 U22.8
AVDD: C30.2 FB1.1 J4.P9 J4.P12 U8.1 U8.19
